# Altium PCB FMC_DAC_125M_14B_16CHA.PcbDoc (part 1 of 9) (continued)
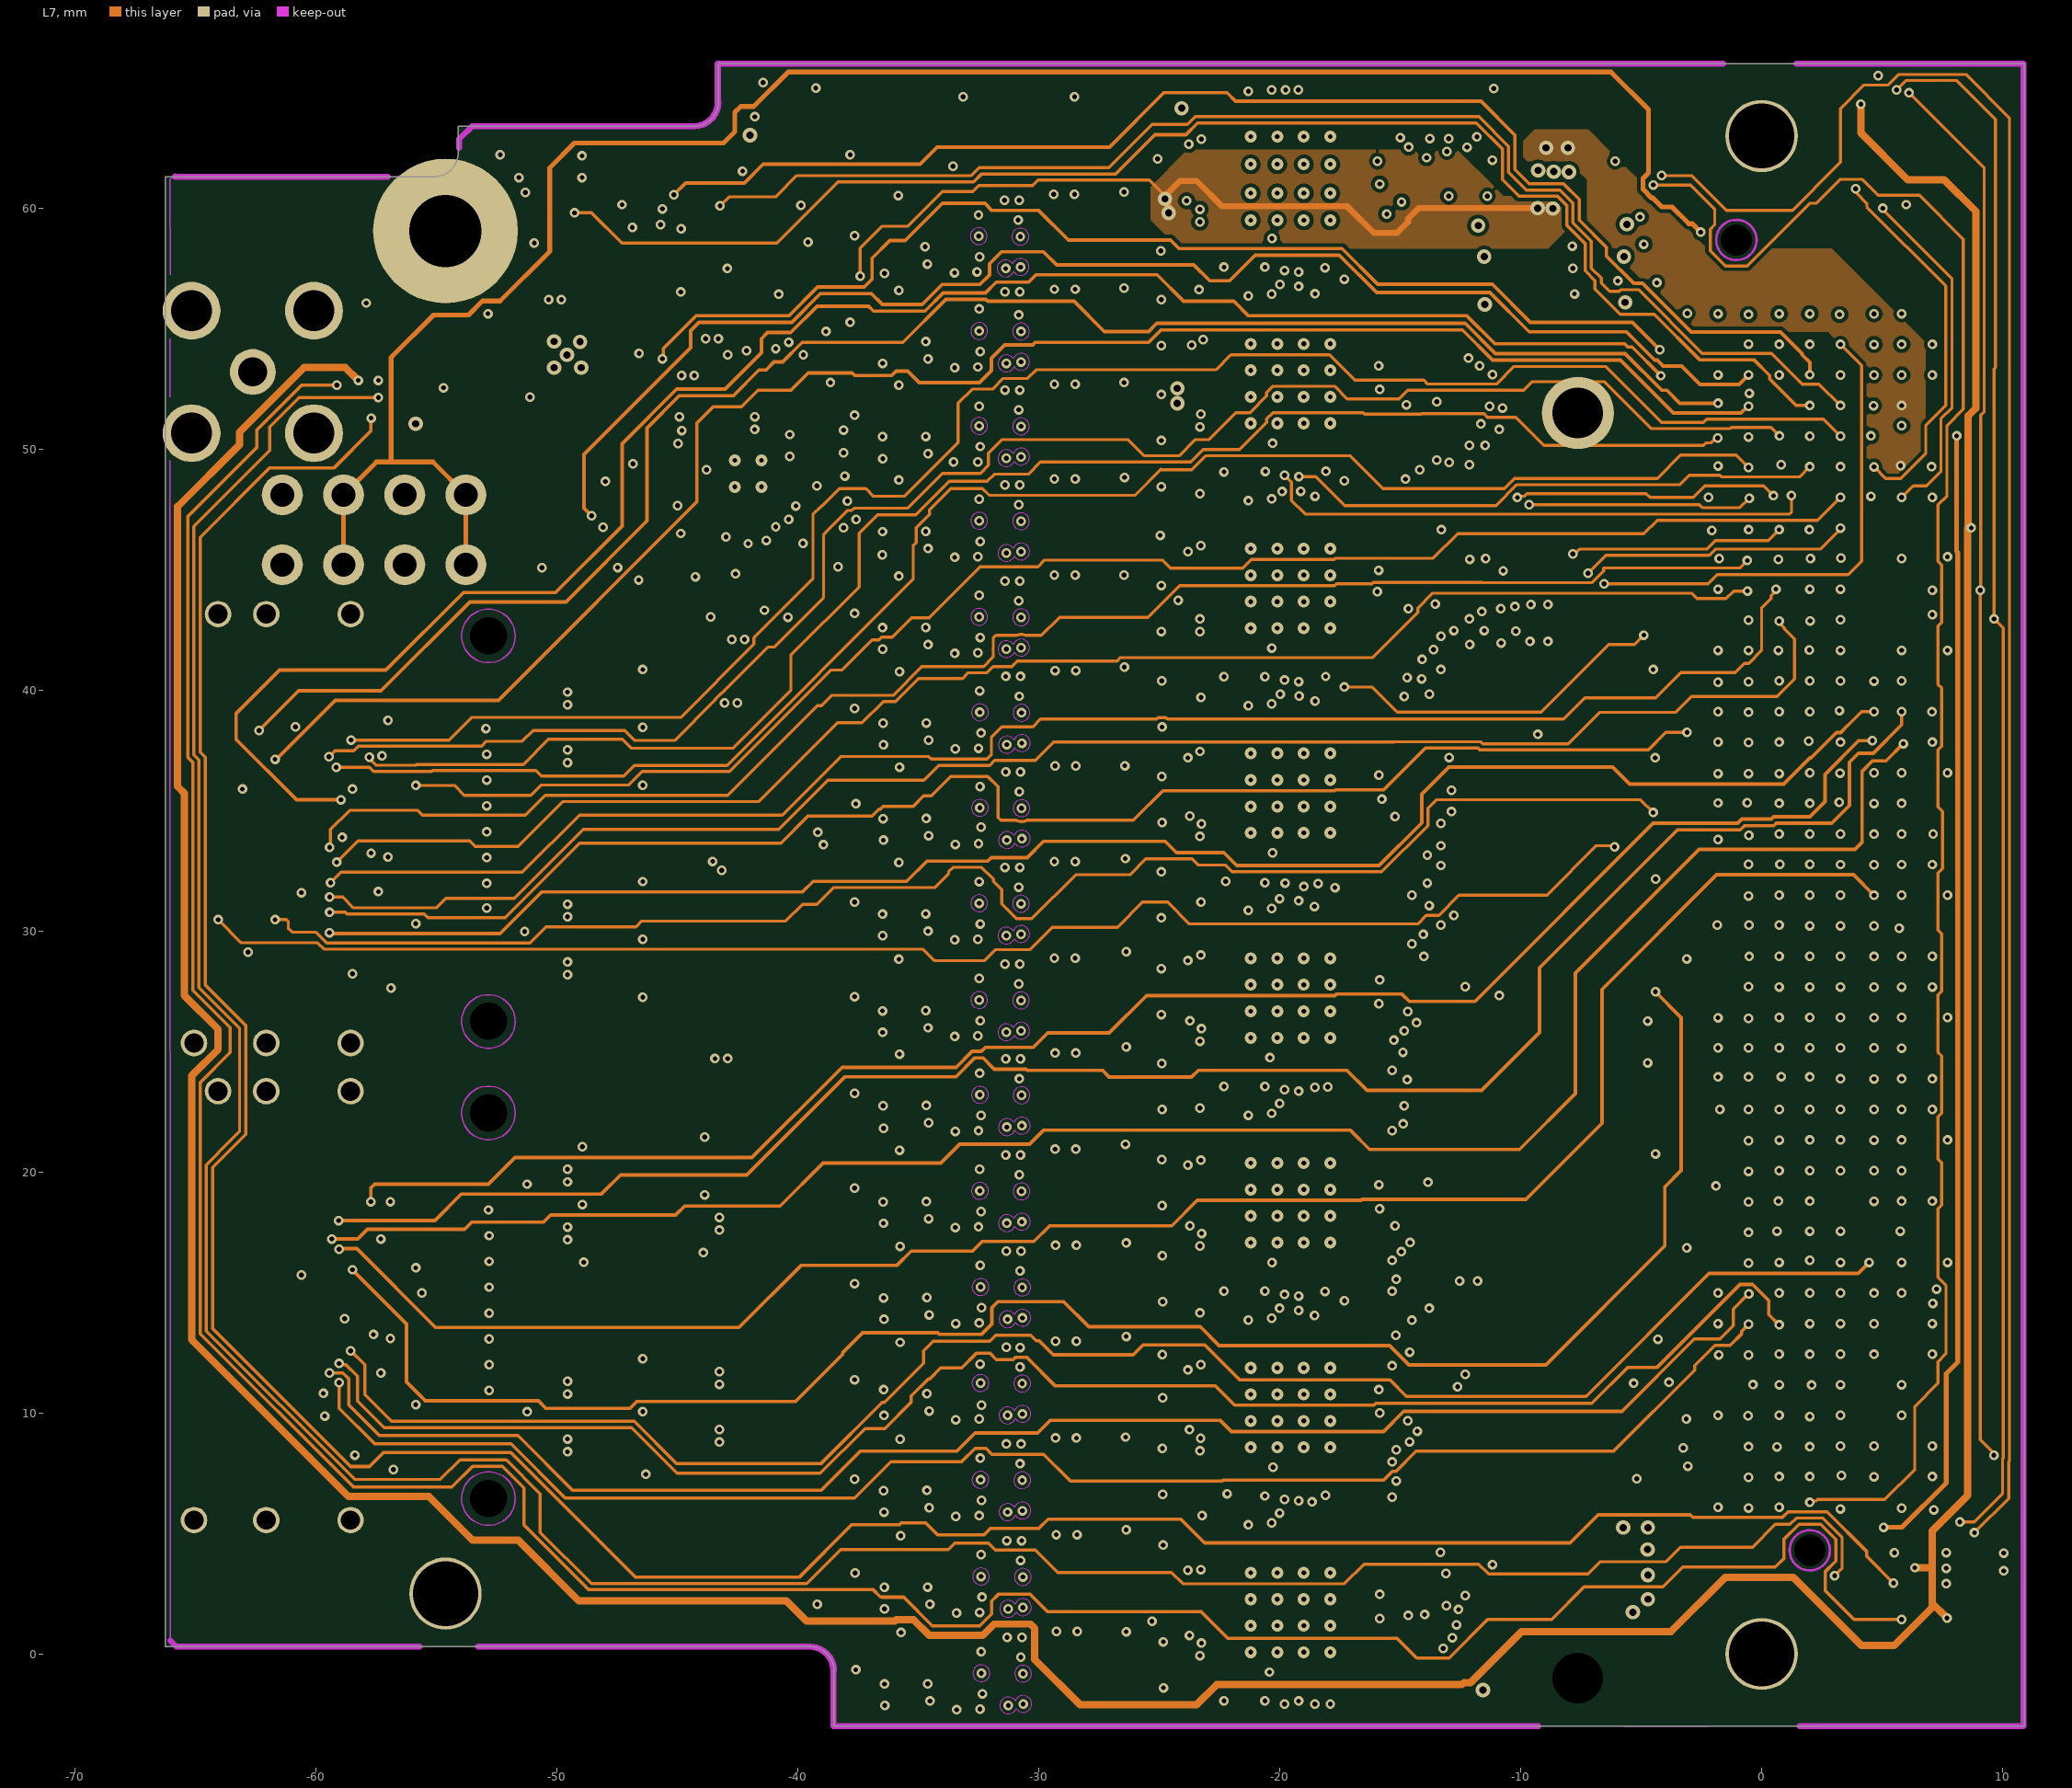
[diagram p7: L7]
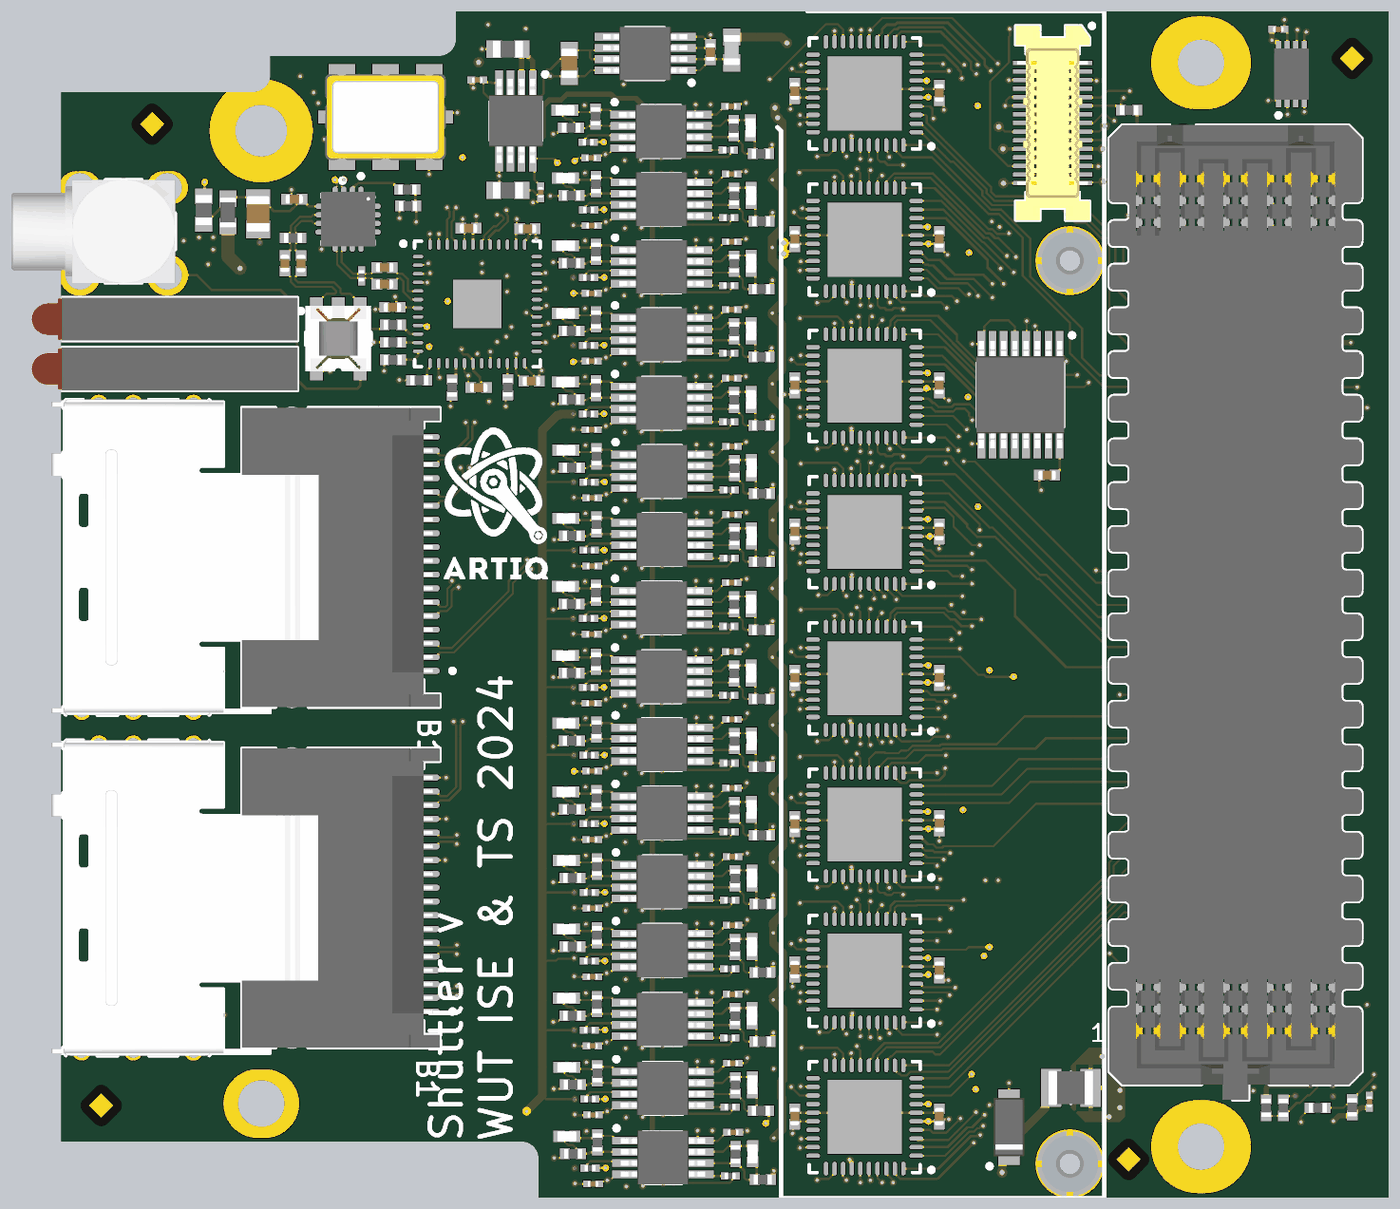
[diagram p16: 3D render of the assembled board from above, using the file's embedded part models]
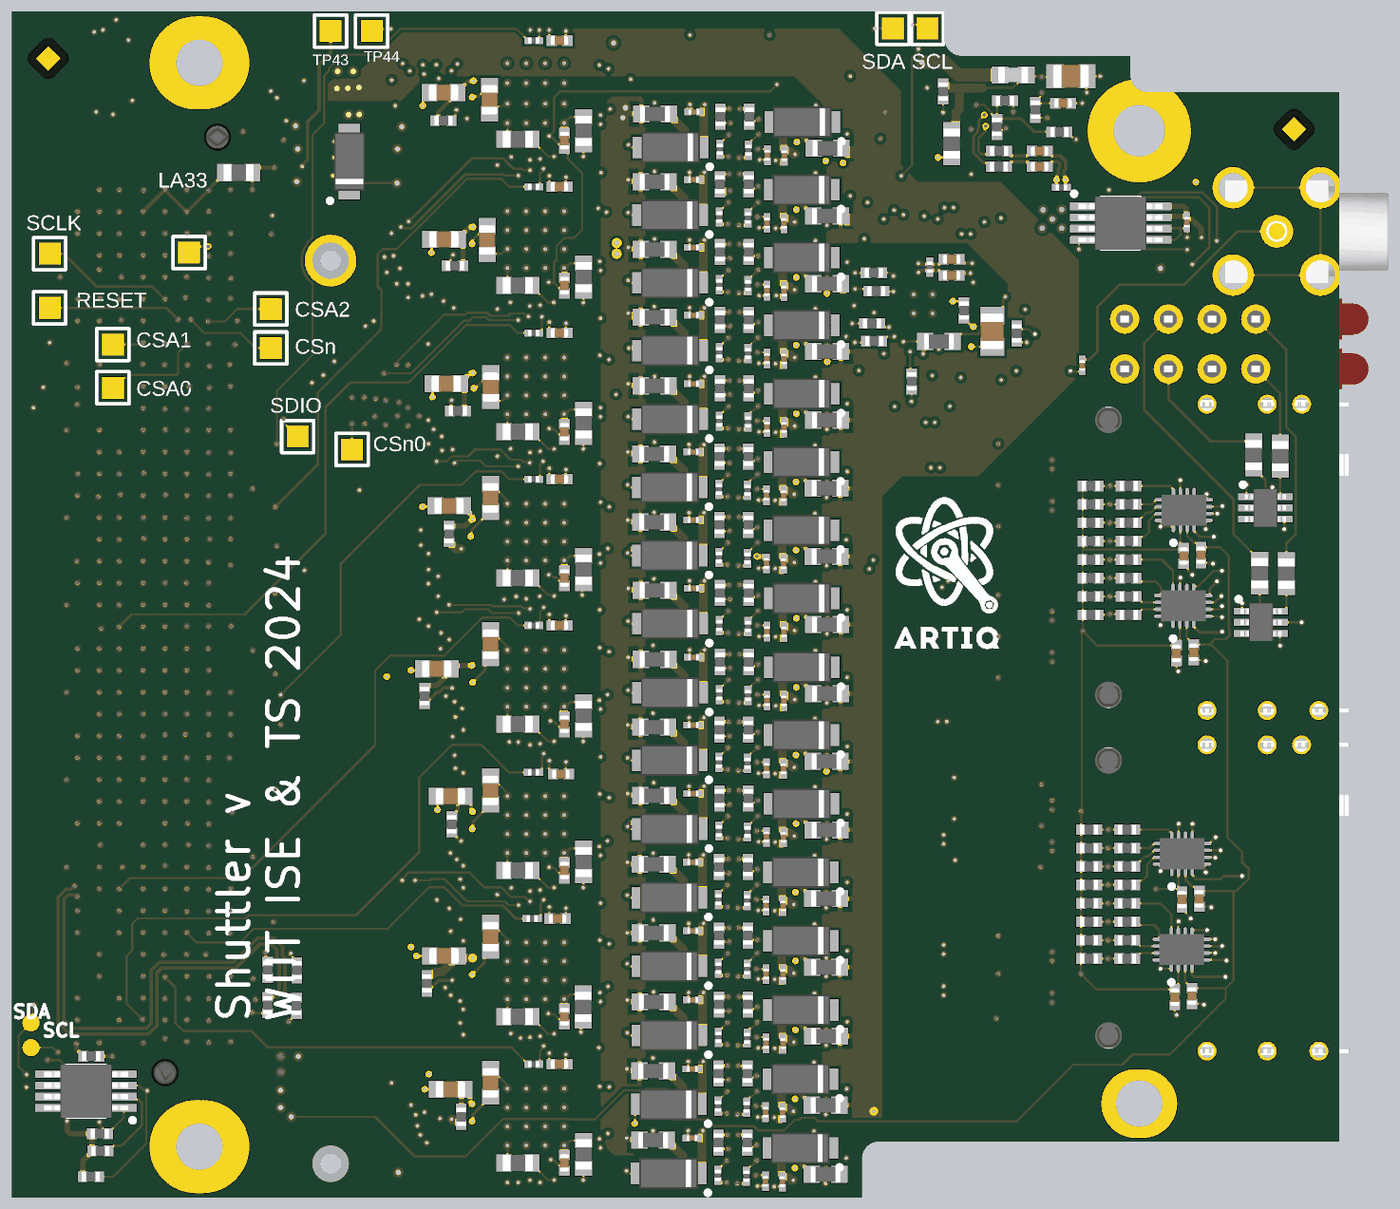
[diagram p17: 3D render of the assembled board from below, using the file's embedded part models]

## Layer stack, top to bottom
TopSolder: solder mask 0.01, Solder Resist, Dk 3.5
L1: signal copper 0.035
Dielectric1: prepreg 0.15, FR-4, Dk 4.8
P2: plane copper 0.018, net GND
Dielectric2: core 0.21, FR-4, Dk 4.8
L3: signal copper 0.018
Dielectric 3: prepreg 0.165, PP-006, Dk 4.1
P4: plane copper 0.018, net GND
Dielectric 4: core 0.21, FR-4, Dk 4.8
L5: signal copper 0.018
Dielectric 5: prepreg 0.165, FR-4, Dk 4.8
P6: plane copper 0.018, net GND
Dielectric6: core 0.21, FR-4, Dk 4.8
L7: signal copper 0.018
Dielectric7: prepreg 0.15, FR-4, Dk 4.8
L8: signal copper 0.035
BottomSolder: solder mask 0.01, Solder Resist, Dk 3.5

## Board outline
-66.25,0.3 -66.25,61.3 -55.1,61.3 ccw(c-55.1,62.3) -54.1,62.3 -54.1,63.4 -44.3,63.4 ccw(c-44.3,64.4) -43.3,64.4 -43.3,66 10.9,66 10.9,-3 -38.5,-3 -38.5,-0.7 ccw(c-39.5,-0.7) -39.5,0.3

## Design rules (kind name [scope] priority, off if disabled: settings)
AcuteAngle [All] p1: minimum=6.00000000000000E+0001 checktracksonly=FALSE
AssemblyTestPointUsage [All] p1 off:
AssemblyTestpoint [All] p1 off: testpointundercomponent=TRUE minsize=1.016 maxsize=2.54 preferedsize=1.524 minholesize=0 maxholesize=1.016 preferedholesize=0.813 testpointgrid=0.025 usegrid=TRUE gridtolerance=0 allowsidetop=TRUE allowsidebottom=TRUE
Clearance Clearance_poly_gnd [(InPolygon AND InNet('GND'))] p1: gap=0.381 ignorepadtopadclearanceinfootprint=FALSE
Clearance Clearance_poly [InPolygon] p2: gap=0.152 ignorepadtopadclearanceinfootprint=FALSE except(0: Arc-Hole Track-Hole SMDPad-Hole THPad-Hole Via-Hole Fill-Hole Poly-Hole Region-Hole Text-Hole)
Clearance [All] p3: gap=0.127 ignorepadtopadclearanceinfootprint=FALSE
ComponentClearance NO_DRC [InComponentClass('NO_DRC')] p1 off: gap=0 collisioncheckmode=3 verticalgap=2540 showdistances=FALSE
ComponentClearance [All] p2 off: gap=0.025 collisioncheckmode=3 verticalgap=2540 showdistances=FALSE
DiffPairsRouting [All] p1: maxlimit=0.152 minlimit=0.127 mostfreqgap=0.152 toplayer_maxgap=0.127 toplayer_prefgap=0.127 toplayer_minwidth=0.127 toplayer_maxwidth=0.127 toplayer_prefwidth=0.127 midlayer1_mingap=0.152 midlayer1_minwidth=0.102 midlayer1_maxwidth=0.102 midlayer1_prefwidth=0.102 midlayer2_mingap=0.152 midlayer2_minwidth=0.102 midlayer2_maxwidth=0.102 midlayer2_prefwidth=0.102 midlayer3_mingap=0.152 midlayer3_minwidth=0.127 midlayer3_maxwidth=0.127 midlayer3_prefwidth=0.127 bottomlayer_maxgap=0.127 bottomlayer_prefgap=0.127 bottomlayer_minwidth=0.203 bottomlayer_maxwidth=0.203 bottomlayer_prefwidth=0.203 impedanceprofiledriven=TRUE impedanceprofileid={2806E7CF-2430-42CC-B17D-BA5BD4E4DC07} impedanceprofilevalue=100.000000 maxuncoupledlength=4
FabricationTestPointUsage [All] p1 off: valid=0 allowmultiple=FALSE
FabricationTestpoint [(IsPad And (OnTopLayer Or OnBottomLayer))] p1 off: side=3 testpointundercomponent=TRUE minsize=1.016 maxsize=2.54 preferedsize=1.524 minholesize=0 maxholesize=1.016 preferedholesize=0.813 testpointgrid=0.025 allowsidetop=TRUE allowsidebottom=TRUE usegrid=TRUE gridtolerance=0
FanoutControl Fanout_BGA [IsBGA] p1 off: bgadir=Out bgaviamode=Centered fanoutstyle=Auto fanoutdirection=Alternating viagrid=0.025 // Fanout_BGA (Default Rule)
FanoutControl Fanout_LCC [IsLCC] p2 off: bgadir=Out bgaviamode=Centered fanoutstyle=Auto fanoutdirection=Alternating viagrid=0.025 // Fanout_LCC (Default Rule)
FanoutControl Fanout_SOIC [IsSOIC] p3 off: bgadir=Out bgaviamode=Centered fanoutstyle=Auto fanoutdirection=Alternating viagrid=0.025 // Fanout_SOIC (Default Rule)
FanoutControl Fanout_Small [(CompPinCount < 5)] p4 off: bgadir=Out bgaviamode=Centered fanoutstyle=Auto fanoutdirection=OutThenIn viagrid=0.025 // Fanout_Small (Default Rule)
FanoutControl Fanout_Default [All] p5 off: bgadir=Out bgaviamode=Centered fanoutstyle=Auto fanoutdirection=Alternating viagrid=0.025 // Fanout_Default (Default Rule)
Height Height_Top [OnTop] p1 off: minheight=0 maxheight=9.398 prefheight=8.89
Height Height_Bot [OnBottom] p2 off: minheight=0 maxheight=1.473 prefheight=1.321
HoleSize [All] p1: absolutevalues=TRUE maxlimit=5 minlimit=0.15 maxpercent=80.000 minpercent=20.000
HoleToHoleClearance [All] p1: gap=0.15 allowstackedmicrovias=TRUE
LayerPairs [All] p1 off: enforce=TRUE
Length "'Default' PADS rule" [All] p1 off: maxlimit=1270 minlimit=0
MatchedLengths MatchLengths_xSignals_U2_IC8A,IC8B,IC8C,IC8D,IC8E,IC8F,IC8G,IC8H [InxSignalClass('xSignals_U2_IC8A,IC8B,IC8C,IC8D,IC8E,IC8F,IC8G,IC8H_MatchLengthsClass')] p1: tolerance=0.254 checknetsindiffpair=FALSE checkdiffpairvsdiffpair=TRUE checkxsignals=TRUE checkothers=TRUE
MatchedLengths "'Default' PADS rule_7" [InNetClass('All Nets')] p2 off: tolerance=0.254 checknetsindiffpair=TRUE checkdiffpairvsdiffpair=FALSE checkxsignals=FALSE checkothers=FALSE
MinimumAnnularRing [All] p1: minimumring=0.1
MinimumSolderMaskSliver [All] p1: minsoldermaskwidth=0
MinimumSolderMaskSliver SilkscreenOverComponentPads [All] p2: minsoldermaskwidth=0
ParallelSegment "'Default' PADS rule_3" [All] p1 off: limit=25.4 gap=5.08
ParallelSegment "'Default' PADS rule_2" [All] p2 off: limit=25.4 gap=5.08
PasteMaskExpansion [All] p1 off: expansion=0
PlaneClearance [All] p1: clearance=0.203
PlaneConnect PlaneConnect_pad [(InPadClass('All Pads'))] p1: planeconnectstyle=Relief reliefexpansion=0.152 reliefentries=4 reliefconductorwidth=0.152 reliefairgap=0.203
PlaneConnect [All] p2: planeconnectstyle=Direct reliefexpansion=0.508 reliefentries=4 reliefconductorwidth=0.254 reliefairgap=0.254
PolygonConnect PolygonConnect_pad [(InPadClass('All Pads'))] p1: connectstyle=Relief reliefconductorwidth=0.254 reliefentries=4 polygonreliefangle="90 Angle" airgapwidth=0.254
PolygonConnect [All] p2: connectstyle=Direct reliefconductorwidth=0.254 reliefentries=4 polygonreliefangle="90 Angle" airgapwidth=0.254
RoomDefinition U_DACs2 [InComponentClass('U_DACs2')] p1 off: confinementstyle=ConfineIn formatcopy=TRUE lockcomponents=FALSE outline -14.063,14.556 -14.063,23.056 -24.115,23.056 -24.115,14.556
RoomDefinition AFE_buffers1 [InComponentClass('AFE_buffers1')] p2 off: confinementstyle=ConfineIn formatcopy=TRUE lockcomponents=FALSE outline -59.915,27.256 -59.915,40.896 -43.615,40.896 -43.615,27.256
RoomDefinition AFE_buffers0 [InComponentClass('AFE_buffers0')] p3 off: confinementstyle=ConfineIn formatcopy=TRUE lockcomponents=FALSE outline -59.815,7.277 -59.815,20.916 -43.515,20.916 -43.515,7.277
RoomDefinition U_References [InComponentClass('U_References')] p4 off: confinementstyle=ConfineIn formatcopy=TRUE lockcomponents=FALSE outline -40.115,61.062 -25.115,61.062 -25.115,66.304 -40.115,66.304
RoomDefinition U_DACs7 [InComponentClass('U_DACs7')] p5 off: confinementstyle=ConfineIn formatcopy=TRUE lockcomponents=FALSE outline -14.063,57.056 -14.063,65.556 -24.115,65.556 -24.115,57.056
RoomDefinition U_DACs6 [InComponentClass('U_DACs6')] p6 off: confinementstyle=ConfineIn formatcopy=TRUE lockcomponents=FALSE outline -14.063,48.556 -14.063,57.056 -24.115,57.056 -24.115,48.556
RoomDefinition U_DACs5 [InComponentClass('U_DACs5')] p7 off: confinementstyle=ConfineIn formatcopy=TRUE lockcomponents=FALSE outline -14.063,40.056 -14.063,48.556 -24.115,48.556 -24.115,40.056
RoomDefinition U_Clock_circuit [InComponentClass('U_Clock_circuit')] p8 off: confinementstyle=ConfineIn formatcopy=TRUE lockcomponents=FALSE outline -69.73,42.768 -37.624,42.768 -37.624,63.916 -69.73,63.916
RoomDefinition U_DACs4 [InComponentClass('U_DACs4')] p9 off: confinementstyle=ConfineIn formatcopy=TRUE lockcomponents=FALSE outline -14.063,31.556 -14.063,40.056 -24.115,40.056 -24.115,31.556
RoomDefinition U_SAS_Connectors1 [InComponentClass('U_SAS_Connectors1')] p10 off: confinementstyle=ConfineIn formatcopy=TRUE lockcomponents=FALSE outline -44.41,2.756 -64.715,2.756 -64.715,23.079 -44.41,23.079
RoomDefinition U_SAS_Connectors0 [InComponentClass('U_SAS_Connectors0')] p11 off: confinementstyle=ConfineIn formatcopy=TRUE lockcomponents=FALSE outline -45.094,25.256 -67.715,25.256 -67.715,43.072 -45.094,43.072
RoomDefinition U_DAC_AFE15 [InComponentClass('U_DAC_AFE15')] p12 off: confinementstyle=ConfineIn formatcopy=TRUE lockcomponents=FALSE outline -24.883,60.842 -37.888,60.842 -37.888,56.866 -24.883,56.866
RoomDefinition U_DAC_AFE14 [InComponentClass('U_DAC_AFE14')] p13 off: confinementstyle=ConfineIn formatcopy=TRUE lockcomponents=FALSE outline -24.858,56.905 -37.862,56.905 -37.862,52.929 -24.858,52.929
RoomDefinition U_DAC_AFE13 [InComponentClass('U_DAC_AFE13')] p14 off: confinementstyle=ConfineIn formatcopy=TRUE lockcomponents=FALSE outline -24.858,52.968 -37.862,52.968 -37.862,48.991 -24.858,48.991
RoomDefinition U_DAC_AFE12 [InComponentClass('U_DAC_AFE12')] p15 off: confinementstyle=ConfineIn formatcopy=TRUE lockcomponents=FALSE outline -24.858,49.031 -37.862,49.031 -37.862,45.054 -24.858,45.054
RoomDefinition U_DAC_AFE11 [InComponentClass('U_DAC_AFE11')] p16 off: confinementstyle=ConfineIn formatcopy=TRUE lockcomponents=FALSE outline -24.858,45.043 -37.862,45.043 -37.862,41.067 -24.858,41.067
RoomDefinition U_DAC_AFE10 [InComponentClass('U_DAC_AFE10')] p17 off: confinementstyle=ConfineIn formatcopy=TRUE lockcomponents=FALSE outline -24.832,41.081 -37.837,41.081 -37.837,37.104 -24.832,37.104
RoomDefinition U_DAC_AFE9 [InComponentClass('U_DAC_AFE9')] p18 off: confinementstyle=ConfineIn formatcopy=TRUE lockcomponents=FALSE outline -24.832,37.118 -37.837,37.118 -37.837,33.142 -24.832,33.142
RoomDefinition U_DAC_AFE8 [InComponentClass('U_DAC_AFE8')] p19 off: confinementstyle=ConfineIn formatcopy=TRUE lockcomponents=FALSE outline -24.858,33.156 -37.862,33.156 -37.862,29.179 -24.858,29.179
RoomDefinition U_DAC_AFE7 [InComponentClass('U_DAC_AFE7')] p20 off: confinementstyle=ConfineIn formatcopy=TRUE lockcomponents=FALSE outline -24.858,29.143 -37.862,29.143 -37.862,25.166 -24.858,25.166
RoomDefinition U_DAC_AFE6 [InComponentClass('U_DAC_AFE6')] p21 off: confinementstyle=ConfineIn formatcopy=TRUE lockcomponents=FALSE outline -24.832,25.206 -37.837,25.206 -37.837,21.229 -24.832,21.229
RoomDefinition U_DAC_AFE5 [InComponentClass('U_DAC_AFE5')] p22 off: confinementstyle=ConfineIn formatcopy=TRUE lockcomponents=FALSE outline -24.832,21.218 -37.837,21.218 -37.837,17.241 -24.832,17.241
RoomDefinition U_DAC_AFE4 [InComponentClass('U_DAC_AFE4')] p23 off: confinementstyle=ConfineIn formatcopy=TRUE lockcomponents=FALSE outline -24.807,17.23 -37.812,17.23 -37.812,13.254 -24.807,13.254
RoomDefinition U_DAC_AFE3 [InComponentClass('U_DAC_AFE3')] p24 off: confinementstyle=ConfineIn formatcopy=TRUE lockcomponents=FALSE outline -24.807,13.242 -37.812,13.242 -37.812,9.266 -24.807,9.266
RoomDefinition U_DAC_AFE2 [InComponentClass('U_DAC_AFE2')] p25 off: confinementstyle=ConfineIn formatcopy=TRUE lockcomponents=FALSE outline -24.807,9.229 -37.812,9.229 -37.812,5.253 -24.807,5.253
RoomDefinition U_DAC_AFE1 [InComponentClass('U_DAC_AFE1')] p26 off: confinementstyle=ConfineIn formatcopy=TRUE lockcomponents=FALSE outline -24.781,5.216 -37.786,5.216 -37.786,1.24 -24.781,1.24
RoomDefinition U_DAC_AFE0 [InComponentClass('U_DAC_AFE0')] p27 off: confinementstyle=ConfineIn formatcopy=TRUE lockcomponents=FALSE outline -24.772,1.203 -37.776,1.203 -37.776,-2.774 -24.772,-2.774
RoomDefinition FMC_DAC_125M_14B_16CHA [InComponentClass('FMC_DAC_125M_14B_16CHA')] p28 off: confinementstyle=ConfineIn formatcopy=TRUE lockcomponents=FALSE outline -69.215,45.756 -59.189,45.756 -59.189,57.756 -69.215,57.756
RoomDefinition U_DACs1 [InComponentClass('U_DACs1')] p29 off: confinementstyle=ConfineIn formatcopy=TRUE lockcomponents=FALSE outline -14.063,6.056 -14.063,14.556 -24.115,14.556 -24.115,6.056
RoomDefinition U_DACs0 [InComponentClass('U_DACs0')] p30 off: confinementstyle=ConfineIn formatcopy=TRUE lockcomponents=FALSE outline -14.063,-2.444 -14.063,6.056 -24.115,6.056 -24.115,-2.444
RoomDefinition U_DACs3 [InComponentClass('U_DACs3')] p31 off: confinementstyle=ConfineIn formatcopy=TRUE lockcomponents=FALSE outline -14.063,23.056 -14.063,31.556 -24.115,31.556 -24.115,23.056
RoomDefinition U_power_supply [InComponentClass('U_power_supply')] p32 off: confinementstyle=ConfineIn formatcopy=TRUE lockcomponents=FALSE outline -11.125,53.504 -2.941,53.504 -2.941,65.322 -11.125,65.322
RoomDefinition "U_FMC connector" [InComponentClass('U_FMC connector')] p33 off: confinementstyle=ConfineIn formatcopy=TRUE lockcomponents=FALSE outline 9.747,-1.96 -8.753,-1.96 -8.753,64.54 9.747,64.54
RoomDefinition U_EEPROM_Temp [InComponentClass('U_EEPROM_Temp')] p34 off: confinementstyle=ConfineIn formatcopy=TRUE lockcomponents=FALSE outline 10.747,-3.21 -1.503,-3.21 -1.503,67.29 10.747,67.29
RoutingCorners [All] p1 off: cornerstyle=45-Degree minsetback=2.54 maxsetback=2.54
RoutingLayers "'Default' PADS rule_10" [All] p1: top layer_v5=TRUE mid layer 1_v5=TRUE mid layer 2_v5=TRUE mid layer 3_v5=TRUE bottom layer_v5=TRUE
RoutingPriority "'Default' PADS rule_9" [All] p1 off: routingpriority=0
RoutingTopology "'Default' PADS rule_8" [All] p1 off: topology=Shortest
RoutingVias via [All] p1: holewidth=0.2 width=0.4 viastyle="Through Hole" minholewidth=0.2 minwidth=0.4 maxholewidth=0.5 maxwidth=1
SMDToPlane "'Default' PADS rule_16" [All] p1 off: distance=20000
SilkToSilkClearance [All] p1: silktosilkclearance=0
SilkToSolderMaskClearance [IsPad] p1: minsilkscreentomaskgap=0 clearancetoexposedcopper=TRUE
SolderMaskExpansion "Solder Mask Expansion from CAM settings" [All] p1 off: expansion=0.051 istentingtop=FALSE
ViasUnderSMD ViasUnderSMD_allow [HasFootprint('QFN50P400X400X100-25N-S280') or HasFootprint('QFN50P300X300X90-17N-S175') or HasFootprint('QFN50P900X900X100-65N-S615')or HasFootprint('QFN50P1000X1000X100-73N-S545')  or HasFootprint('QFN50P900X900X100-65N-S615 ') or  HasFootprint('SDA08C') or  HasFootprint('CP-40-1')] p1: allowed=TRUE
ViasUnderSMD [All] p2: allowed=FALSE
Width [All] p1: maxlimit=0.762 minlimit=0.127 preferedwidth=0.152 midlayer1_maxwidth=0.254 midlayer1_prefwidth=0.127 minimp=50.000000 maximp=50.000000 favimp=50.000000
5 further rules are at their usual default settings.
